# Altium PCB MotorBase.PcbDoc (part 1 of 2) (continued)
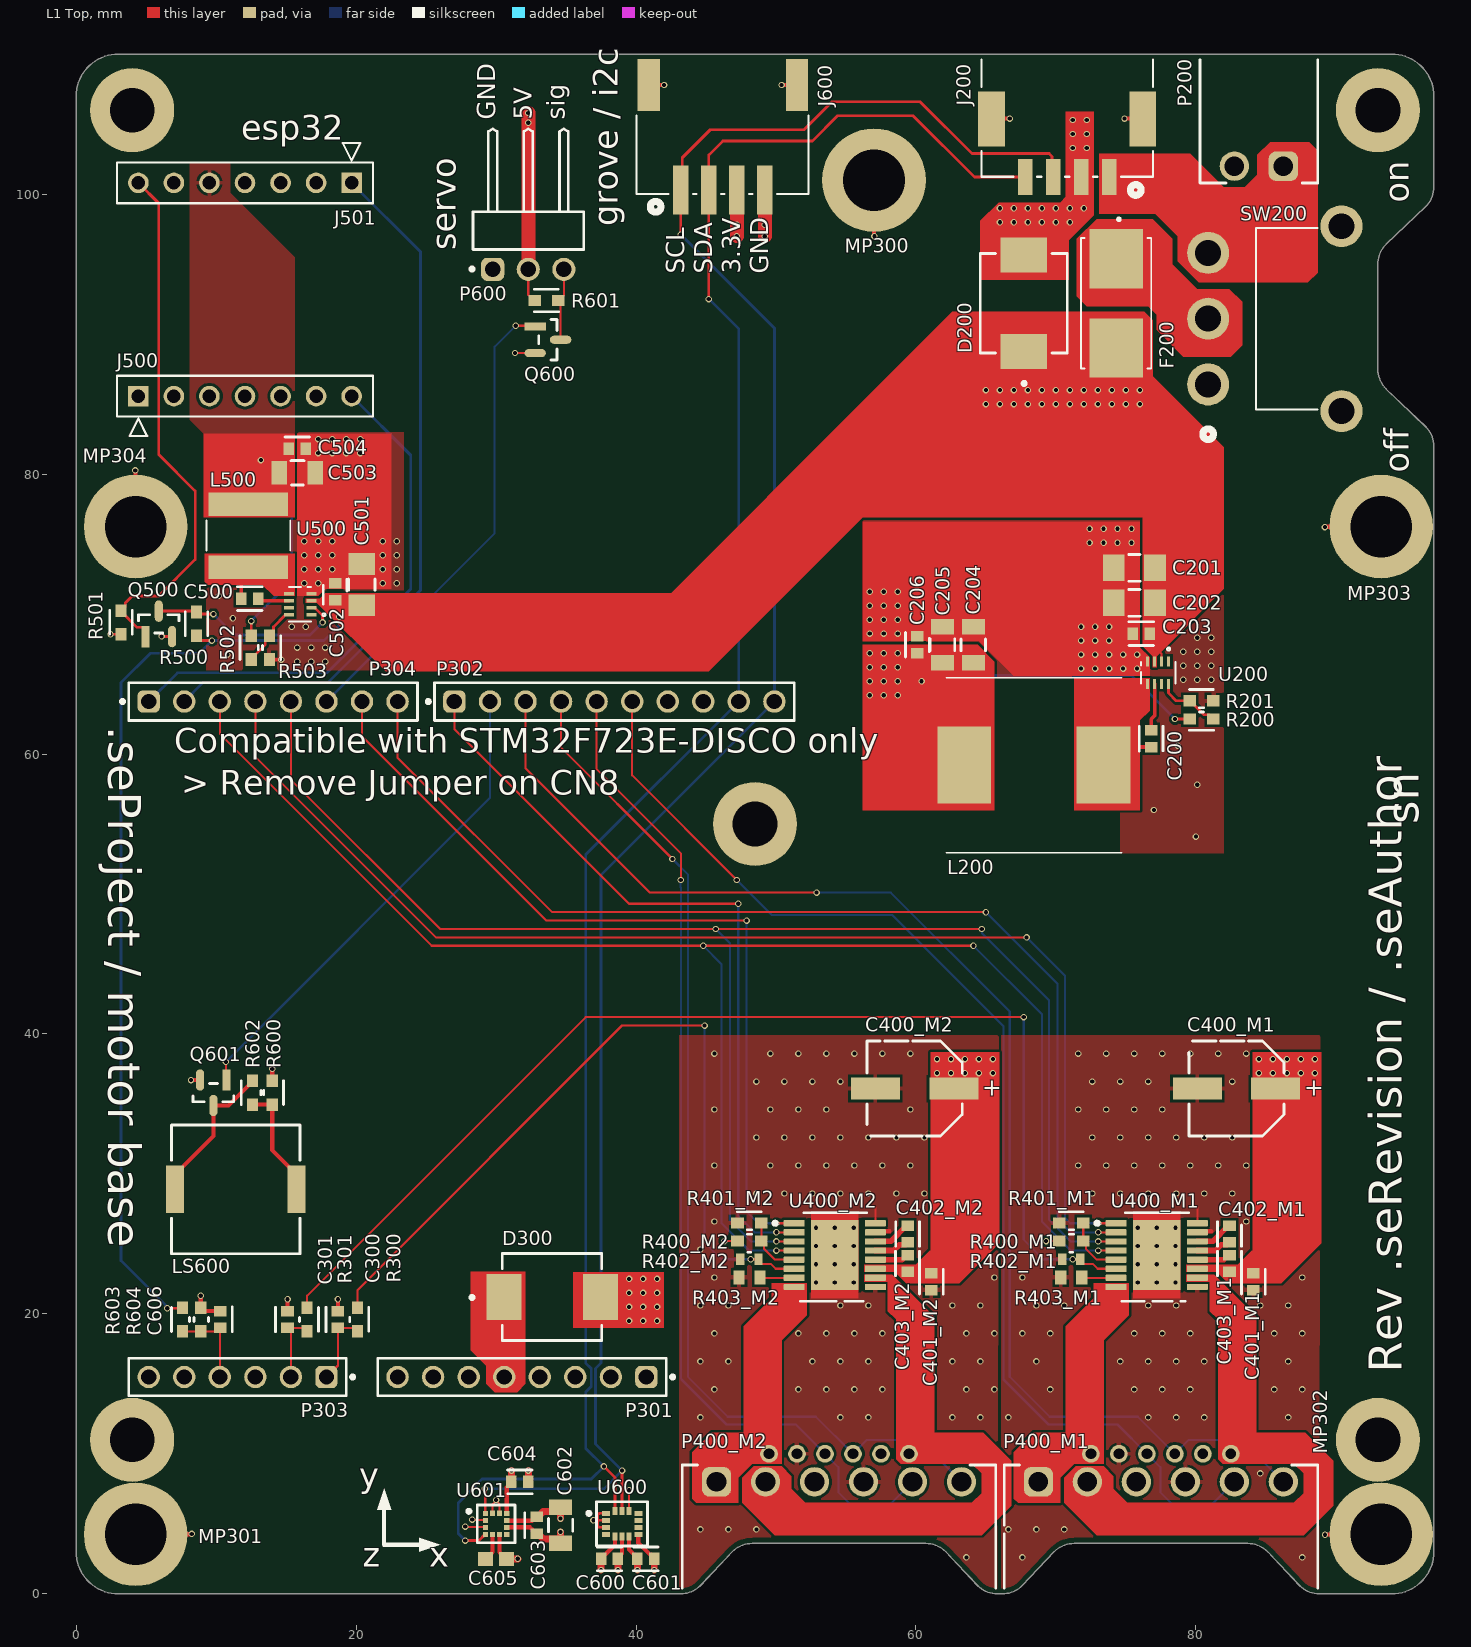
[diagram p0: L1 Top view]
## Design rules (kind name [scope] priority, off if disabled: settings)
BoardOutlineClearance [All] p1: gap=0.4 ignorepadtopadclearanceinfootprint=FALSE
Clearance [All] p1: gap=0.1 ignorepadtopadclearanceinfootprint=FALSE except(0.2: Arc-Poly Track-Poly SMDPad-Poly THPad-Poly Via-Poly Fill-Poly Poly-Poly Poly-Region Poly-Text Poly-Hole)
ComponentClearance ComponentClearance_MOTCONN [HasFootprint('CONN_S6B-PH-K-S_JST') vs HasFootprint('691322110006')] p1: gap=-100 collisioncheckmode=3 verticalgap=-100 showdistances=FALSE
ComponentClearance [All] p2: gap=0.35 collisioncheckmode=3 verticalgap=0.35 showdistances=FALSE
DiffPairsRouting DiffPairsRouting_ETH [InDifferentialPairClass('Ethernet')] p1: maxlimit=0.15 minlimit=0.15 mostfreqgap=0.15 toplayer_minwidth=0.132 toplayer_maxwidth=0.132 toplayer_prefwidth=0.132 bottomlayer_minwidth=0.132 bottomlayer_maxwidth=0.132 bottomlayer_prefwidth=0.132 impedanceprofiledriven=TRUE maxuncoupledlength=5
HoleSize [All] p1: absolutevalues=TRUE maxlimit=6.3 minlimit=0.3 maxpercent=80.000 minpercent=20.000
HoleToHoleClearance [All] p1: gap=0.3 allowstackedmicrovias=FALSE
MinimumAnnularRing [All] p1: minimumring=0.075
MinimumSolderMaskSliver [All] p1: minsoldermaskwidth=0.1
PlaneClearance [All] p1: clearance=0.3
PlaneConnect [All] p1: pad.planeconnectstyle=Relief pad.reliefexpansion=0.508 pad.reliefentries=4 pad.reliefconductorwidth=0.254 pad.reliefairgap=0.254 via.planeconnectstyle=Direct via.reliefexpansion=0.508 via.reliefentries=4 via.reliefconductorwidth=0.254 via.reliefairgap=0.254
PolygonConnect [All] p1: thpad.connectstyle=Relief thpad.reliefconductorwidth=0.3 thpad.reliefentries=4 thpad.polygonreliefangle="90 Angle" thpad.airgapwidth=0.18 smdpad.connectstyle=Relief smdpad.reliefconductorwidth=0.3 smdpad.reliefentries=4 smdpad.polygonreliefangle="90 Angle" smdpad.airgapwidth=0.18 via.connectstyle=Direct via.reliefconductorwidth=0.254 via.reliefentries=4 via.polygonreliefangle="90 Angle" via.airgapwidth=0.254
RoomDefinition M1 [InComponentClass('M1')] p1: confinementstyle=ConfineIn formatcopy=TRUE lockcomponents=FALSE outline 66,-0.5 89,-0.5 89,40 66,40
RoomDefinition M2 [InComponentClass('M2')] p2: confinementstyle=ConfineIn formatcopy=TRUE lockcomponents=FALSE outline 43,-0.5 66,-0.5 66,40 43,40
RoutingVias [All] p1: holewidth=0.3 width=0.46 viastyle="Through Hole" minholewidth=0.3 minwidth=0.45 maxholewidth=6 maxwidth=6.3
SilkToSilkClearance [All] p1: silktosilkclearance=0.15
SilkToSolderMaskClearance [IsPad] p1: minsilkscreentomaskgap=0.15 clearancetoexposedcopper=TRUE
SolderMaskExpansion [All] p1: expansion=0.05 istentingtop=FALSE
Width [All] p1: maxlimit=5 minlimit=0.1 preferedwidth=0.2 minimp=50.000000 maximp=50.000000 favimp=50.000000
21 further rules are at their usual default settings.

## Classes and differential pairs
net class DIR_M[1..2]: DIR_M1 DIR_M2
net class PWM_M[1..2]: PWM_M1 PWM_M2
net class IMOT_M[1..2]: IMOT_M1 IMOT_M2
net class ENCB_M[1..2]: ENCB_M1 ENCB_M2
net class ENCA_M[1..2]: ENCA_M1 ENCA_M2
channel class MotorDriver: M1 M2
component class M2: C400_M2 C401_M2 C402_M2 C403_M2 J400_M2 P400_M2 R400_M2 R401_M2 R402_M2 R403_M2 U400_M2
component class M1: C400_M1 C401_M1 C402_M1 C403_M1 J400_M1 P400_M1 R400_M1 R401_M1 R402_M1 R403_M1 U400_M1
component class Connectivity: C500 C501 C502 C503 C504 J500 J501 L500 Q500 R500 R501 R502 R503 U500
component class "Power Suppy": C200 C201 C202 C203 C204 C205 C206 D200 F200 J200 L200 P200 R200 R201 SW200 U200
component class Miscellaneous: C600 C601 C602 C603 C604 C605 C606 J600 LS600 P600 Q600 Q601 R600 R601 R602 R603 R604 U600 U601
component class "STM32-Disco Carrier": C300 C301 D300 MP300 MP301 MP302 MP303 MP304 P301 P302 P303 P304 R300 R301

## Components (designator, comment, footprint, x,y, rotation, side; value= is the part's Value field where it differs from the comment)
C200 "C0603C104M5RACTU" FP-C0603C-CF-MFG#1 76.8,61.1 r90 top value="0.10 μF"
C201 "GRT31CR6YA106KE01L" FP-GRT31C-0_2-IPC_A 75.6,73.3 r180 top
C202 "GRT31CR6YA106KE01L" FP-GRT31C-0_2-IPC_A 75.6,70.8 r180 top
C203 "C0603C104M5RACTU" FP-C0603C-CF-MFG#1 76.1,68.6 r180 top value="0.10 μF"
C204 "GRM319R61C226ME15D" FP-GRM319-0_15-IPC_C 64.1,67.8 r90 top
C205 "GRM319R61C226ME15D" FP-GRM319-0_15-IPC_C 61.9,67.8 r90 top
C206 "C0603C104M5RACTU" FP-C0603C-CF-MFG#1 60.1,67.8 r90 top value="0.10 μF"
C300 "C0603C104M5RACTU" FP-C0603C-CF-MFG#1 18.7,19.6 r270 top value="0.10 μF"
C301 "C0603C104M5RACTU" FP-C0603C-CF-MFG#1 15.1,19.6 r270 top value="0.10 μF"
C400_M1 "865080545012" WCAP-ASLI_D6.3H7.7 82.9,36.1 r0 top (schematic designator C400)
C400_M2 "865080545012" WCAP-ASLI_D6.3H7.7 59.9,36.1 r0 top (schematic designator C400)
C401_M1 "C0603C104M5RACTU" FP-C0603C-CF-MFG#1 84.1,22.3 r90 top value="0.10 μF" (schematic designator C401)
C401_M2 "C0603C104M5RACTU" FP-C0603C-CF-MFG#1 61.1,22.3 r90 top value="0.10 μF" (schematic designator C401)
C402_M1 "C0603C223M5RACTU" FP-C0603C-CF-MFG#1 82.4,25.7 r90 top value="22,000 pF" (schematic designator C402)
C402_M2 "C0603C223M5RACTU" FP-C0603C-CF-MFG#1 59.4,25.7 r90 top value="22,000 pF" (schematic designator C402)
C403_M1 "C0603C104M5RACTU" FP-C0603C-CF-MFG#1 82.4,23.6 r270 top value="0.10 μF" (schematic designator C403)
C403_M2 "C0603C104M5RACTU" FP-C0603C-CF-MFG#1 59.4,23.6 r270 top value="0.10 μF" (schematic designator C403)
C500 "C0603C104M5RACTU" FP-C0603C-CF-MFG#1 12.4,71.1 r0 top value="0.10 μF"
C501 "GRT31CR6YA106KE01L" FP-GRT31C-0_2-IPC_A 20.4,72.1 r90 top
C502 "C0603C104M5RACTU" FP-C0603C-CF-MFG#2 18.5,71.6 r90 top value="0.10 μF"
C503 "GRM319R61C226ME15D" FP-GRM319-0_15-IPC_C 15.8,80.1 r0 top
C504 "C0603C104M5RACTU" FP-C0603C-CF-MFG#1 15.8,81.8 r0 top value="0.10 μF"
C600 "C0603C104M5RACTU" FP-C0603C-CF-MFG#1 38.1,2.5 r0 top value="0.10 μF"
C601 "C0603C104M5RACTU" FP-C0603C-CF-MFG#1 40.7,2.5 r180 top value="0.10 μF"
C602 "GRM319R61C226ME15D" FP-GRM319-0_15-IPC_C 34.6,4.9 r270 top
C603 "C0603C104M5RACTU" FP-C0603C-CF-MFG#1 32.9,4.9 r270 top value="0.10 μF"
C604 "C0603C104M5RACTU" FP-C0603C-CF-MFG#1 31.7,8 r0 top value="0.10 μF"
C605 "C0603C224Z4VACTU" CAPC1608X90X35NL15T15 30,2.5 r180 top value="220 nF"
C606 "C0603C104M5RACTU" FP-C0603C-CF-MFG#1 10.3,19.6 r90 top value="0.10 μF"
D200 "B340-13-F" FP-SMC-MFG 67.7,92.2 r90 top value=200pF
D300 "B340-13-F" FP-SMC-MFG 34,21.2 r0 top value=200pF
F200 "0154003.DR" FUSE_0154003.DR 74.3,92.2 r270 top value=3A
J200 "5055780471" CONN_505578_04_MOL 70.8,105.6 r180 top
J400_M1 "S6B-PH-K-S" CONN_S6B-PH-K-S_JST 82.5,10 r180 bottom (schematic designator J400)
J400_M2 "S6B-PH-K-S" CONN_S6B-PH-K-S_JST 59.5,10 r180 bottom (schematic designator J400)
J500 "929870-01-10-RA" CONN_929870-01-07-RA_3MM 4.439,85.569 r180 top
J501 "929870-01-10-RA" CONN_929870-01-07-RA_3MM 19.679,100.809 r0 top
J600 "114020164" CONN4_20164_SEE 43.2,100.3 r0 top
L200 "DR125-6R8-R" INDM1250X1250X600 68.425,59.2 r180 top
L500 "ASPI-6045S-2R7N-T" IND_ASPI-6045S-2R7N-T 12.3,75.6 r90 top value=2.7uH
LS600 "PKMCS0909E48H0-R1" FP-PKMCS0909E48H0-R1-MFG 11.4,28.9 r180 top
MP300 "9774110360R" 9774110360 57,101 r0 top
MP301 "9774110360R" 9774110360 4.25,4.25 r0 top
MP302 "9774110360R" 9774110360 93.233,4.25 r0 top
MP303 "9774110360R" 9774110360 93.233,76.25 r0 top
MP304 "9774110360R" 9774110360 4.25,76.25 r0 top
P200 "691322110002" 691322110002 84.5,105.4 r180 top
P301 "61300811121" 61300811121 31.85,15.49 r180 top locked
P302 "61301011121" 61301011121 38.454,63.75 r0 top locked
P303 "61300611121" 61300611121 11.53,15.49 r180 top locked
P304 "61300811121" 61300811121 14.07,63.75 r0 top locked
P400_M1 "691322110006" 691322110006 77.5,4.6 r0 top (schematic designator P400)
P400_M2 "691322110006" 691322110006 54.5,4.6 r0 top (schematic designator P400)
P600 "61300311021" 61300311021 32.3,97.4 r180 top
Q500 "BSS138" FP-318-08-IPC_B 5.9,69.3 r90 top
Q600 "BSS138" FP-318-08-IPC_B 33.7,89.6 r0 top
Q601 "BSS138" FP-318-08-IPC_B 9.8,35.8 r270 top
R200 "RT0603FRE0752K3L" FP-RT0603-MFG 80.4,62.5 r180 top value=52.3KΩ
R201 "RT0603FRE0710KL" FP-RT0603-MFG 80.4,63.8 r180 top value=10KΩ
R300 "RT0603FRE07100RL" FP-RT0603-MFG 20.1,19.6 r90 top value=100Ω
R301 "RT0603FRE07100RL" FP-RT0603-MFG 16.5,19.6 r90 top value=100Ω
R400_M1 "RT0603FRE0716KL" FP-RT0603-MFG 71.1,25.2 r180 top value=16KΩ (schematic designator R400)
R400_M2 "RT0603FRE0716KL" FP-RT0603-MFG 48.1,25.2 r180 top value=16KΩ (schematic designator R400)
R401_M1 "RT0603FRE0749K9L" FP-RT0603-MFG 71.1,26.5 r0 top value=49.9KΩ (schematic designator R401)
R401_M2 "RT0603FRE0749K9L" FP-RT0603-MFG 48.1,26.5 r0 top value=49.9KΩ (schematic designator R401)
R402_M1 "RT0603FRE073KL" RESC1608X55X25LL10T15 71.1,23.9 r0 top (schematic designator R402)
R402_M2 "RT0603FRE073KL" RESC1608X55X25LL10T15 48.1,23.9 r0 top (schematic designator R402)
R403_M1 "RC0603JR-070RL" RESC1608X55X25ML10T15 71.1,22.6 r0 top (schematic designator R403)
R403_M2 "RC0603JR-070RL" RESC1608X55X25ML10T15 48.1,22.6 r0 top (schematic designator R403)
R500 "RT0603FRE0710KL" FP-RT0603-MFG 8.6,69.3 r270 top value=10KΩ
R501 "RT0603FRE0710KL" FP-RT0603-MFG 3.2,69.4 r90 top value=10KΩ
R502 "RT0603FRE0730K9L" FP-RT0603-MFG 12.5,67.6 r90 top value=30.9KΩ
R503 "RT0603FRE0710KL" FP-RT0603-MFG 13.8,67.6 r90 top value=10KΩ
R600 "RT0603FRE07680RL" FP-RT0603-MFG 14,35.8 r90 top value=680Ω
R601 "RT0603FRE0710KL" FP-RT0603-MFG 33.6,92.4 r180 top value=10KΩ
R602 "RT0603FRE07680RL" FP-RT0603-MFG 12.6,35.8 r270 top value=680Ω
R603 "RT0603FRE0791KL" FP-RT0603-MFG 7.6,19.6 r90 top value=91KΩ
R604 "RT0603FRE0710KL" FP-RT0603-MFG 8.9,19.6 r270 top value=10KΩ
SW200 "500SSP3S1M6QEA" SW3_500SSP3S1M6QEA_EWI 80.875,86.404 r90 top
U200 "TPS563300DRLR" SOT5X3-8_DRL_TEX 77.3,65.8 r270 top
U400_M1 "DRV8874PWPR" FP-PWP0016J-MFG 77.2,24.2 r0 top (schematic designator U400)
U400_M2 "DRV8874PWPR" FP-PWP0016J-MFG 54.2,24.2 r0 top (schematic designator U400)
U500 "TPS563300DRLR" SOT5X3-8_DRL_TEX 16,70.7 r180 top
U600 "LSM6DSOTR" FP-LGA-14L-DM00249496-MFG 39,5 r0 top
U601 "LIS2MDLTR" FP-LGA-12-DM00170568-MFG 30,5 r0 top

## Footprints (in the part's own frame and the unit in brackets; to place one, negate y for a bottom-side part, rotate by r counter-clockwise, add the part's x,y. Pads: shape width x height; smd on the part's side, far side on the other; paste and mask are expansions set on the pad)
9774110360 [mm] "SMT Steel Spacer with internal Thread M3, height 11mm"
  round 7.4 / inner round 0 / far side round 0 hole 4.4 unplated: 1(0,0)
  body extent -3,-3 3,3, height 11
61300311021 [mm] "Pin Header, pitch 2.54 mm, THT, Angled, single row, 3p"
  rrect50% 1.65x1.65 hole 1.1: 1(2.54,2.77)
  round 1.65 hole 1.1: 2(0,2.77) 3(-2.54,2.77)
  silkscreen extent -3.96,-7.27 4.14,2.87, body extent -3.81,-7.27 3.81,3.09, height 2.58
61300611121 [mm] "Pin Header, pitch 2.54 mm, THT, Vertical, single row, 6p"
  rrect50% 1.6x1.6 hole 1.1: 1(-6.35,0)
  round 1.6 hole 1.1: 2(-3.81,0) 3(-1.27,0) 4(1.27,0) 5(3.81,0) 6(6.35,0)
  silkscreen extent -8.34,-1.35 7.77,1.35, body extent -7.62,-1.27 7.62,1.27, height 8.57
61300811121 [mm] "Pin Header, pitch 2.54 mm, THT, Vertical, single row, 8p"
  rrect50% 1.6x1.6 hole 1.1: 1(-8.89,0)
  round 1.6 hole 1.1: 2(-6.35,0) 3(-3.81,0) 4(-1.27,0) 5(1.27,0) 6(3.81,0) 7(6.35,0) 8(8.89,0)
  silkscreen extent -10.88,-1.35 10.31,1.35, body extent -10.16,-1.27 10.16,1.27, height 8.57
61301011121 [mm] "Pin Header, pitch 2.54 mm, THT, Vertical, single row, 10p"
  rrect50% 1.6x1.6 hole 1.1: 1(-11.43,0)
  round 1.6 hole 1.1: 2(-8.89,0) 3(-6.35,0) 4(-3.81,0) 5(-1.27,0) 6(1.27,0) 7(3.81,0) 8(6.35,0) 9(8.89,0) 10(11.43,0)
  silkscreen extent -13.42,-1.35 12.85,1.35, body extent -12.7,-1.27 12.7,1.27, height 8.57
691322110002 [mm] "Horizontal PCB Header, pitch 3.5mm, 02p"
  rrect50% 2.1x2.1 hole 1.4: 1(-1.75,3.4)
  round 2.1 hole 1.4: 2(1.75,3.4)
  silkscreen extent -4.2,-4.2 4.2,4.6, body extent -4.2,-4.6 4.2,4.6, height 7.3
691322110006 [mm] "Horizontal PCB Header, pitch 3.5mm, 06p"
  rrect50% 2.1x2.1 hole 1.4: 1(-8.75,3.4)
  round 2.1 hole 1.4: 2(-5.25,3.4) 3(-1.75,3.4) 4(1.75,3.4) 5(5.25,3.4) 6(8.75,3.4)
  silkscreen extent -11.2,-4.2 11.2,4.6, body extent -11.2,-4.6 11.2,4.6, height 7.3
CAPC1608X90X35NL15T15 [mm] "Chip Capacitor, 2-Leads, Body 1.60x0.81mm, IPC Medium Density"
  rect 1.05x1 smd: 1(-0.75,0) 2(0.75,0)
  body extent -0.88,-0.48 0.87,0.48, height 0.9
CONN4_20164_SEE [mil]
  rect 43x138 smd paste+0: 1(0,0) 2(78.74,0) 3(157.48,0) 4(236.22,0)
  rect 63x145.67 smd paste-72.83: 5(-90.55,295.28) 6(326.77,295.28)
  silkscreen extent -125,-62 359,209, body extent -118,-37 354,368, height 215
CONN_505578_04_MOL [mil]
  rect 41x102 smd: 1(-118.11,172.41) 2(-39.37,172.41) 3(39.37,172.41) 4(118.11,172.41)
  rect 75x154 smd: 5(-212.6,9.02) 6(212.6,9.02)
  silkscreen extent -241,-158 241,224, body extent -236,-167 236,206, height 232
CONN_929870-01-07-RA_3MM [mil]
  rect 58x58 / inner round 60 / far side rect 58x58 hole 38 paste-99999 mask+0: 1(0,0)
  round 58 / inner round 60 / far side round 58 hole 38 paste-99999 mask+0: 2(-100,0) 3(-200,0) 4(-300,0) 5(-400,0) 6(-500,0) 7(-600,0)
  silkscreen extent -660,-58 60,112, body extent -655,-53 55,53, height 150
CONN_S6B-PH-K-S_JST [mil]
  round 50 / inner round 60 / far side round 50 hole 30 paste-99999 mask+0: 1(0,0) 2(78.74,0) 3(157.48,0) 4(236.22,0) 5(314.96,0) 6(393.7,0)
  silkscreen extent -82,-244 475,109, body extent -77,-248 470,51, height 189
FP-318-08-IPC_B [mm]
  rect 1.524x0.578 smd paste+0 mask+0: 1(-0.91,0.95)
  rrect100% 1.524x0.578 smd paste+0 mask+0: 2(-0.91,-0.95) 3(0.91,0)
  silkscreen extent -0.65,-1.45 0.65,1.45, body extent -1.92,-1.7 1.92,1.7, height 0.25
FP-C0603C-CF-MFG#1 [mm]
  rect 0.75x0.9 smd paste+0 mask+0: 1(-0.6,0) 2(0.6,0)
  silkscreen extent -0.87,-0.85 0.88,0.85, body extent -1.2,-0.6 1.2,0.6, height 0.25
FP-C0603C-CF-MFG#2 [mm]
  rect 0.75x0.9 smd paste-2539.97 mask+0: 1(-0.6,0)
  rect 0.75x0.9 smd paste+0 mask+0: 2(0.6,0)
  silkscreen extent -0.87,-0.85 0.88,0.85, body extent -1.2,-0.6 1.2,0.6, height 0.25
FP-GRM319-0_15-IPC_C [mm]
  rect 1.106x1.658 smd paste+0 mask+0: 1(-1.276,0) 2(1.276,0)
  silkscreen extent -0.42,-0.87 0.42,0.87, body extent -1.93,-0.97 1.93,0.97, height 0.25
FP-GRT31C-0_2-IPC_A [mm]
  rect 1.555x1.906 smd paste+0 mask+0: 1(-1.476,0) 2(1.476,0)
  silkscreen extent -0.4,-0.95 0.4,0.95, body extent -2.75,-1.45 2.75,1.45, height 0.25
FP-LGA-12-DM00170568-MFG [mm]
  rect 0.375x0.35 smd paste+0 mask+0: 1(-0.763,0.75) 2(-0.763,0.25) 3(-0.763,-0.25) 4(-0.763,-0.75) 7(0.763,-0.75) 8(0.763,-0.25) 9(0.763,0.25) 10(0.763,0.75)
  rect 0.35x0.375 smd paste+0 mask+0: 5(-0.25,-0.763) 6(0.25,-0.763) 11(0.25,0.763) 12(-0.25,0.763)
  silkscreen extent -2.07,-1.35 1.35,1.35, body extent -1.55,-1.55 1.55,1.55, height 0.25
FP-LGA-14L-DM00249496-MFG [mm]
  rect 0.575x0.35 smd paste+0 mask+0: 1(-1.162,0.75) 2(-1.162,0.25) 3(-1.162,-0.25) 4(-1.162,-0.75) 8(1.162,-0.75) 9(1.162,-0.25) 10(1.162,0.25) 11(1.162,0.75)
  rect 0.35x0.575 smd paste+0 mask+0: 5(-0.5,-0.913) 6(0,-0.913) 7(0.5,-0.913) 12(0.5,0.913) 13(0,0.913) 14(-0.5,0.913)
  silkscreen extent -2.5,-1.58 1.83,1.58, body extent -2.05,-1.8 2.05,1.8, height 0.25
FP-PKMCS0909E48H0-R1-MFG [mm]
  rect 1.3x3.4 smd paste+0 mask+0: 1(-4.35,0) 2(4.35,0)
  silkscreen extent -4.6,-4.6 4.6,4.6, body extent -5.1,-4.7 5.1,4.7, height 0.25
FP-PWP0016J-MFG [mm]
  rrect22% 1.5x0.45 smd paste+0 mask+0: 1(-2.9,2.275) 2(-2.9,1.625) 3(-2.9,0.975) 4(-2.9,0.325) 5(-2.9,-0.325) 6(-2.9,-0.975) 7(-2.9,-1.625) 8(-2.9,-2.275) 9(2.9,-2.275) 10(2.9,-1.625) 11(2.9,-0.975) 12(2.9,-0.325) 13(2.9,0.325) 14(2.9,0.975) 15(2.9,1.625) 16(2.9,2.275)
  rect 3.4x5 smd paste-1000 mask-1000: 17(0,0)
  silkscreen extent -4.4,-3.3 2.27,3.03, body extent -3.75,-2.8 3.75,2.8, height 0.25
FP-RT0603-MFG [mm]
  rect 0.9x0.8 smd paste+0 mask+0: 1(-0.85,0) 2(0.85,0)
  silkscreen extent -0.85,-0.81 0.85,0.8, body extent -1.4,-0.55 1.4,0.55, height 0.25
FP-SMC-MFG [mm]
  rect 2.5x3.3 smd paste+0 mask+0: 1(-3.45,0) 2(3.45,0)
  silkscreen extent -5.85,-3.11 3.55,3.11, body extent -4.8,-3.21 4.8,3.21, height 0.25
FUSE_0154003.DR [mil]
  rect 167x150 smd: 1(-125.5,0) 2(125.5,0)
  silkscreen extent -240,-99 184,99, body extent -192,-99 192,99, height 150
IND_ASPI-6045S-2R7N-T [mm]
  rect 1.7x5.7 smd: 1(-2.25,0) 2(2.25,0)
  silkscreen extent -1.08,-3 1.08,3, body extent -3,-3 3,3, height 4.5
INDM1250X1250X600 [mm]
  rect 3.85x5.5 smd: 1(-4.975,0) 2(4.975,0)
  silkscreen extent -6.25,-6.25 6.25,6.25, body extent -6.25,-6.25 6.25,6.25, height 6
RESC1608X55X25LL10T15 [mm] "Chip Resistor, 2-Leads, Body 1.60x0.80mm, IPC High Density"
  rect 0.6x0.8 smd: 1(-0.65,0) 2(0.65,0)
  body extent -0.85,-0.45 0.85,0.45, height 0.55
RESC1608X55X25ML10T15 [mm] "Chip Resistor, 2-Leads, Body 1.60x0.80mm, IPC Low Density"
  rect 0.8x1 smd: 1(-0.75,0) 2(0.75,0)
  body extent -0.85,-0.45 0.85,0.45, height 0.55
SOT5X3-8_DRL_TEX [mm]
  rect 0.706x0.229 smd paste+0 mask+0: 1(-0.798,0.75) 2(-0.798,0.25) 3(-0.798,-0.25) 4(-0.798,-0.75) 5(0.798,-0.75) 6(0.798,-0.25) 7(0.798,0.25) 8(0.798,0.75)
  silkscreen extent -1.8,-1.23 0.77,1.23, body extent -0.85,-1.1 0.85,1.1, height 0.61
SW3_500SSP3S1M6QEA_EWI [mm]
  round 3 hole 1.854: 1(0,0) 2(4.7,0) 3(9.4,0) 4(-1.904,-9.525) 5(11.304,-9.525)
  silkscreen extent -3.94,-7.8 11.18,0.38, body extent -2.08,-17.69 11.49,0.71, height 6.7
WCAP-ASLI_D6.3H7.7 [mm] "Aluminium Electrolytic V-Chip SMT Capacitors, 6.3x7.7mm"
  rect 3.5x1.6 smd: 1(2.8,0) 2(-2.8,0)
  silkscreen extent -3.4,-3.4 3.4,3.4, body extent -3.65,-3.3 3.65,3.3, height 7.7

## Part data
C200 C203 C206 C300 C301 C401_M1 C401_M2 C403_M1 C403_M2 C500 C502 C504 C600 C601 C603 C604 C606: library part CMP-2006-03068-2, "CAP CER 0.1UF 50V 20% X7R 0603", Capacitance="0.10 μF", Manufacturer=KEMET, Package=C0603C-CF, Temperature="-55°C to +125°C", Temperature Characteristic=X7R, Temperature Coefficient=30ppm/°C, Temperature Range High=+125°C, Temperature Range Low=-55°C, Tolerance=0.2, Voltage Rating="50 V", Automotive=Yes, Automotive Grade="Grade 1", Category=Cap, ComponentLink2Description=Datasheet, ComponentLink2URL=https://api.kemet.com/component-edge/download/datasheet/C0603C100J5GACAUTO.pdf, Device Class L1="Passive Components", Device Class L2=Capacitors, Device Class L3="Ceramic Capacitors", Digikey Description="CAP CER 0.1UF 50V 20% X7R 0603", Height=0.87mm, Lead Free=Yes, Manufacturer Part Number=C0603C104M5RACTU, Material=Ceramic, Mouser Description="Multilayer Ceramic Capacitors MLCC - SMD/SMT 50volts 0.1uF X7R 20%", Octopart=https://octopart.com/c0603c104m5ractu-kemet-11855687, RoHS=TRUE
C201 C202 C501: library part CMP-06035-017590-1, "Multi-Layer Ceramic Capacitor 10uF 35V X5R ±10% 1206 Emboss T/R", Capacitance=10uF, Case Code (Imperial)=1206, Case Code (Metric)=3216, Max Operating Temperature=85°C, Min Operating Temperature=-55°C, Ratings=AEC-Q200, Tolerance=10%, Voltage Rating=35V, Case/Package=1206, Length=0.126inch, Mount="Surface Mount", Packaging="Tape and Reel", Thickness=0.071inch, Width=0.063inch
C204 C205 C503 C602: library part CMP-06035-037955-1, "Chip Multilayer Ceramic Capacitors for General Purpose, 1206, 22uF, X5R, 15%, 20%, 16V", Capacitance=22uF, Case Code (Imperial)=1206, Case Code (Metric)=3216, Dielectric=X5R, Max Operating Temperature=85°C, Min Operating Temperature=-55°C, Package Quantity=4000, Resistor Type=Ceramic, Tolerance=20%, Voltage Rating=16V, Case/Package=1206, Height=0.85mm, Length=0.126inch, Mount="Surface Mount", Packaging="Tape and Reel", Termination=SMD/SMT, Thickness=0.037inch, Voltage Rating (DC)=16V, Weight=0.001411oz, Width=0.063inch
C400_M1 C400_M2: library part CMP-03913-54202496-1, "865080545012 Cap Aluminum Lytic 100uF 35V 20% (6.3 X 7.7mm) SMD 300mA 2000h 105C T/R", Capacitance=100µF, Case/Package=Radial, ESR (Equivalent Series Resistance)=321.392mΩ, Insulation Resistance=1MΩ, Leakage Current=35µA, Max Operating Temperature=105°C, Min Operating Temperature=-55°C, Ripple Current=300mA, Tolerance=20%, Voltage Rating=35V, Diameter=6.3mm, Dissipation Factor=14%, Height=7.7mm, Impedance=380mΩ, Length=7.7mm, Life (Hours)=2000hours, NexarPartId=54202496, Packaging="Cut Tape", REACH SVHC=Unknown, Ripple Current (AC)=300mA, RoHS=Compliant, Voltage Rating (DC)=35V, Width=6.6mm
C402_M1 C402_M2: library part CMP-2006-03144-2, "CAP CER 0.022UF 50V X7R 0603", Capacitance="22,000 pF", Manufacturer=KEMET, Package=C0603C-CF, Temperature="-55°C to +125°C", Temperature Characteristic=X7R, Temperature Coefficient=30ppm/°C, Temperature Range High=+125°C, Temperature Range Low=-55°C, Tolerance=0.2, Voltage Rating="50 V", Automotive=Yes, Automotive Grade="Grade 1", Category=Cap, ComponentLink2Description=Datasheet, ComponentLink2URL=https://api.kemet.com/component-edge/download/datasheet/C0603C100J5GACAUTO.pdf, Device Class L1="Passive Components", Device Class L2=Capacitors, Device Class L3="Ceramic Capacitors", Digikey Description="CAP CER 0.022UF 50V X7R 0603", Height=0.87mm, Lead Free=Yes, Manufacturer Part Number=C0603C223M5RACTU, Material=Ceramic, Mouser Description="Cap Ceramic 0.022uF 50V X7R 20% SMD 0603 125°C Paper T/R", Octopart=https://octopart.com/c0603c223m5ractu-kemet-18481184, RoHS=TRUE
C605: library part CMP-2006-02254-1, Manufacturer=Kemet, Part Number=C0603C224Z4VACTU
D200 D300: library part CMP-12790-000049-1, "DIODE SCHOTTKY 40V 3A SMC", Capacitance=200pF, Forward Current=3A, Manufacturer="Diodes Inc.", Max Junction Temp=+150°C, Max Repetitive Reverse Voltage=40V, Max Surge Forward Current=100A, Package=SMC, Peak Reverse Current=0.1mA, Temperature="-55°C to +150°C", Temperature Range Low=-55°C, Automotive=No, Category=Diode, ComponentLink2Description=Datasheet, ComponentLink2URL=https://www.diodes.com/assets/Datasheets/ds30923.pdf, Device Class L1="Discrete Semiconductors", Device Class L2=Diodes, Device Class L3="Schottky Diodes", Digikey Description="DIODE SCHOTTKY 40V 3A SMC", Footprint Url=https://www.diodes.com/assets/Package-Files/SMC.pdf, Height=2.5mm, Lead Free=Yes, Manufacturer Part Number=B340-13-F, Mouser Description="Diode Schottky 40V 3A 2-Pin SMC T/R Diode Schottky 40V 3A 2-Pin SMC T/R", Octopart=https://octopart.com/b340-13-f-diodes+inc.-325814, Reverse Voltage=40V, RoHS=TRUE, Standoff Height=0.1mm, Temperature Range High=+150°C
F200: "Nano2 SMD FF submin fuse w/holder, 3A", Package="SMD-2 Littelfuse", Supplier Part Number 1=F1226CT-ND, Check_prices=https://www.snapeda.com/parts/0154003.DR/Littelfuse/view-part/?ref=eda, MF="Littelfuse Inc.", MP=0154003.DR, SnapEDA_Link=https://www.snapeda.com/parts/0154003.DR/Littelfuse/view-part/?ref=snap, Supplier 1=DigiKey, Supplier 2=DigiKey, Supplier 3=Mouser, Supplier Part Number 2=F1226DKR-ND, Supplier Part Number 3=576-0154003.DR
J200: "2.00mm Pitch, Micro-Lock Plus PCB Header, Single Row, Right-Angle, Surface Mount, Matte Tin Plating, Positive Lock, 4 Circuits, Low-Halogen, Black", Manufacturer_Name="Molex Connector Corporation", Supplier Part Number 1=WM17949CT-ND, Copyright="Copyright (C) 2025 Ultra Librarian. All rights reserved.", Datasheet=https://www.molex.com/en-us/products/part-detail-pdf/5055780471?display=pdf, Manufacturer_Part_Number=5055780471, RefDes=RefDes, Supplier 1=DigiKey, Supplier 2=DigiKey, Supplier 3=Mouser, Supplier Part Number 2=WM17949DKR-ND, Supplier Part Number 3=538-505578-0471, Type=Type
J400_M1 J400_M2: "Description", Manufacturer_Name=JST, Supplier Part Number 1=306-S6B-PH-K-SLFSN, Copyright="Copyright (C) 2025 Ultra Librarian. All rights reserved.", Manufacturer_Part_Number=S6B-PH-K-S, RefDes=RefDes, Supplier 1=Mouser, Supplier 2=DigiKey, Supplier Part Number 2=455-1723-ND, Type=Type
J500 J501: "No Description Available", Manufacturer_Name=3M, Supplier Part Number 1=3M157422-ND, Copyright="Copyright (C) 2025 Ultra Librarian. All rights reserved.", Manufacturer_Part_Number=929870-01-10-RA, RefDes=RefDes, Supplier 1=DigiKey, Supplier 2=Mouser, Supplier Part Number 2=517-929870-01-10-RA, Type=Type
J600: "No Description Available", Manufacturer_Name=BeagleBoard, Supplier Part Number 1=1597-114020164-ND, Copyright="Copyright (C) 2025 Ultra Librarian. All rights reserved.", Manufacturer_Part_Number=114020164, RefDes=RefDes, Supplier 1=DigiKey, Supplier 2=Mouser, Supplier Part Number 2=713-114020164, Type=Type
L200: "Inductor Power Shielded Drum Core 3.084u(OCL)H/3.3uH 20% 100KHz Ferrite 9.26A 6.3mOhm DCR T/R", Package=None, Supplier Part Number 1=513-1530-1-ND, Availability=Unavailable, MP=DR125-6R8-R, Price=None, Supplier 1=DigiKey, Supplier 2=DigiKey, Supplier 3=DigiKey, Supplier 4=Mouser, Supplier Part Number 2=513-1530-6-ND, Supplier Part Number 3=513-1530-2-ND, Supplier Part Number 4=704-DR125-6R8-R
L500: Package=None, Supplier Part Number 1=ASPI-6045S-2R7N-TCT-ND, Availability=Unavailable, MP=ASPI-6045S-2R7N-T, Price=None, Supplier 1=DigiKey, Supplier 2=DigiKey, Supplier 3=DigiKey, Supplier 4=Mouser, Supplier Part Number 2=ASPI-6045S-2R7N-TDKR-ND, Supplier Part Number 3=ASPI-6045S-2R7N-TTR-ND, Supplier Part Number 4=815-ASPI-6045S-2R7NT
LS600: library part CMP-06202-000041-1, "9.09.0MM 4.8KHZ PIEZOELECTRIC SO"
MP300 MP301 MP302 MP303 MP304: library part CMP-03913-39399854-1, "9774110360R Spacer Material: Steel, Tin-Plated Mounting: SMT Series: WA-SMSI Thread D: M3", Case/Package=SMD/SMT, Max Operating Temperature=150°C, Min Operating Temperature=-55°C, Height=11.1mm, Lead Free="Lead Free", Length=11mm, Material=Steel, Mount=External, NexarPartId=39399854, Outside Diameter=5.9944mm, Packaging="Tape and Reel", Plating=Tin, REACH SVHC=Unknown, RoHS=Compliant, Thread Size=M3, Threaded/Unthreaded=Threaded, Width=6mm
P200: library part CMP-1502-01791-3, Color=Green, Current=10A, Max Operating Temperature=105°C, Min Operating Temperature=-40°C, Voltage=300V, Contact Material=Brass, Current Rating=10A, Gender=Male, Height=7.4mm, Lead Free="Lead Free", Lead Pitch=3.5mm, Length=10.5mm, Mount="Through Hole", NexarPartId=18818346, Number Of Contacts=2, Number of Levels=1, Number of Pins=2, Number of Positions Per Level=2, Number Of Rows=1, Packaging=Box, Pitch=3.5052mm, REACH SVHC=Unknown, RoHS=Compliant, Termination=Solder, Voltage Rating=300V, Width=8.1mm
P301 P304: library part CMP-1502-01076-3, Color=Black, Contact Resistance=20mΩ, Current Rating=3A, Max Operating Temperature=105°C, Min Operating Temperature=-40°C, Operating Supply Voltage=250V, Connector Type="Male Pin", Contact Material=Copper, Contact Mating Length=5.9944mm, Contact Plating=Gold, Gender=Male, Height=8.54mm, Lead Pitch=2.54mm, Mount="Through Hole", NexarPartId=32855533, Number Of Contacts=8, Number of Pins=8, Number of Positions=8, Number Of Rows=1, Orientation=Vertical, Packaging=Bulk, Pitch=2.54mm, REACH SVHC=Unknown, RoHS=Compliant, Termination=Solder, Voltage Rating=250V
P302: library part CMP-1502-01082-5, Color=Black, Contact Resistance=20mΩ, Current Rating=3A, Flammability Rating="UL94 V-0", Insulation Resistance=1GΩ, Max Operating Temperature=105°C, Min Operating Temperature=-40°C, Operating Supply Voltage=250V, Connector Type="Male Pin", Contact Gender=Male, Contact Material=Copper, Contact Mating Length=5.9944mm, Contact Plating=Gold, Gender=Male, Height=8.74mm, Housing Material=PBT, Lead Pitch=2.54mm, Length=2.54mm, Mount="Through Hole", NexarPartId=18818159, Number Of Contacts=10, Number of Pins=10, Number of Positions=10, Number Of Rows=1, Orientation=Vertical, Packaging=Bulk, Pitch=2.54mm, REACH SVHC=Unknown, RoHS=Compliant, Termination=Solder, Voltage Rating=250V, Width=25.4mm
P303: library part CMP-1502-01070-3, Color=Black, Contact Resistance=20mΩ, Current Rating=3A, Max Operating Temperature=105°C, Min Operating Temperature=-40°C, Operating Supply Voltage=250V, Connector Type="Male Pin", Contact Gender=Male, Contact Material=Copper, Contact Mating Length=5.9944mm, Contact Plating=Gold, Gender=Male, Height=8.89mm, Housing Material=PBT, Lead Free="Lead Free", Lead Pitch=2.54mm, Mount="Through Hole", NexarPartId=20084590, Number Of Contacts=6, Number of Pins=6, Number of Positions=6, Number Of Rows=1, Orientation=Vertical, Packaging=Bulk, Pitch=2.54mm, REACH SVHC=Unknown, RoHS=Compliant, Termination="Through Hole", Voltage Rating=250V
P400_M1 P400_M2: library part CMP-1502-01795-2, Color=Green, Current=10A, Voltage=300V, Connector Type="PCB, Terminal Block", Contact Gender=Male, Contact Material=Brass, Gender=Male, Height=9.2mm, Lead Pitch=3.5mm, Length=10.5mm, Mount="Through Hole", NexarPartId=18818350, Number Of Contacts=6, Number of Levels=1, Number of Pins=6, Number of Positions Per Level=6, Number Of Rows=1, Packaging=Box, Pitch=3.5052mm, REACH SVHC=Unknown, RoHS=Compliant, Termination=Solder, Width=22.1mm
P600: library part CMP-1502-01061-3, Color=Black, Contact Resistance=20mΩ, Current Rating=3A, Operating Supply Voltage=250V, Connector Type="Male Pin", Contact Material=Copper, Contact Mating Length=5.9944mm, Contact Plating=Gold, Gender=Male, Lead Pitch=2.54mm, Mount="Through Hole", NexarPartId=32855520, Number Of Contacts=3, Number of Pins=3, Number of Positions=3, Number Of Rows=1, Packaging=Bulk, Pitch=2.54mm, REACH SVHC=Unknown, RoHS=Compliant, Termination=Solder
Q500 Q600 Q601: library part CMP-07173-000101-1, "MOSFET N-CH 50V 220MA SOT-23", Case/Package=SOT-23, Continuous Drain Current (ID)=220mA, Drain to Source Breakdown Voltage=50V, Drain to Source Resistance=3.5R, Gate to Source Voltage (Vgs)=20V, Input Capacitance=27pF, Max Operating Temperature=150°C, Max Power Dissipation=360mW, Min Operating Temperature=-55°C, On-State Resistance=6R, Package Quantity=1, Threshold Voltage=1.3V, Contact Plating=Tin, Current Rating=220mA, Drain to Source Voltage (Vdss)=50V, Dual Supply Voltage=50V, Element Configuration=Single, Fall Time=9ns, Height=0.93mm, Lead Free="Lead Free", Length=2.92mm, Mount="Surface Mount", Nominal Vgs=1.3V, Number of Elements=1, Number of Pins=3, Packaging="Tape and Reel", Power Dissipation=360mW, Radiation Hardening=No, Rds On Max=3.5R, REACH SVHC="No SVHC", Rise Time=9ns, Termination=SMD/SMT, Turn-Off Delay Time=20ns, Turn-On Delay Time=2.5ns, Voltage Rating (DC)=50V, Weight=0.03g, Width=1.3mm
R200: library part CMP-03412-024293-1, "RES SMD 52.3K OHM 1% 1/10W 0603", Manufacturer=Yageo, Package=RT0603, Power Rating=0.1W, Resistance=52.3KΩ, Temperature="-55°C to +155°C", Temperature Coefficient="50 ppm/°C", Temperature Range High=+155°C, Temperature Range Low=-55°C, Tolerance=0.01, Voltage Rating=75V, Automotive=No, Category=Res, ComponentLink2Description=Datasheet, ComponentLink2URL=http://www.yageo.com/documents/recent/PYu-RT_1-to-0.01_RoHS_L_9.pdf, Composition="Thin Film", Device Class L1="Passive Components", Device Class L2=Resistors, Device Class L3="Chip SMD Resistors", Digikey Description="RES SMD 52.3K OHM 1% 1/10W 0603", Footprint Url=http://www.yageo.com/exep/pages/download/literatures/PYu-R_Mount_10.pdf, Height=0.55mm, Ipc Land Pattern Name=RESC16080X45, Lead Free=Yes, Manufacturer Part Number=RT0603FRE0752K3L, Mouser Description="Thin Film Resistors - SMD 1/10W 52.3K ohm 1% 50ppm", Octopart=https://octopart.com/rt0603fre0752k3l-yageo-1195990, RoHS=TRUE, Series=RT
R201 R500 R501 R503 R601 R604: library part CMP-03412-005349-1, "RES SMD 10K OHM 1% 1/10W 0603", Manufacturer=Yageo, Package=RT0603, Power Rating=0.1W, Resistance=10KΩ, Temperature="-55°C to +155°C", Temperature Coefficient="50 ppm/°C", Temperature Range High=+155°C, Temperature Range Low=-55°C, Tolerance=0.01, Voltage Rating=75V, Automotive=No, Category=Res, ComponentLink2Description=Datasheet, ComponentLink2URL=http://www.yageo.com/documents/recent/PYu-RT_1-to-0.01_RoHS_L_9.pdf, Composition="Thin Film", Device Class L1="Passive Components", Device Class L2=Resistors, Device Class L3="Chip SMD Resistors", Digikey Description="RES SMD 10K OHM 1% 1/10W 0603", Footprint Url=http://www.yageo.com/exep/pages/download/literatures/PYu-R_Mount_10.pdf, Height=0.55mm, Ipc Land Pattern Name=RESC16080X45, Lead Free=Yes, Manufacturer Part Number=RT0603FRE0710KL, Mouser Description="Thin Film Resistors - SMD 10K ohm 1% 1/10W", Octopart=https://octopart.com/rt0603fre0710kl-yageo-40009243, RoHS=TRUE, Series=RT
R300 R301: library part CMP-03412-022806-1, "RES SMD 100 OHM 1% 1/10W 0603", Manufacturer=Yageo, Package=RT0603, Power Rating=0.1W, Resistance=100Ω, Temperature="-55°C to +155°C", Temperature Coefficient="50 ppm/°C", Temperature Range High=+155°C, Temperature Range Low=-55°C, Tolerance=0.01, Voltage Rating=75V, Automotive=No, Category=Res, ComponentLink2Description=Datasheet, ComponentLink2URL=http://www.yageo.com/documents/recent/PYu-RT_1-to-0.01_RoHS_L_9.pdf, Composition="Thin Film", Device Class L1="Passive Components", Device Class L2=Resistors, Device Class L3="Chip SMD Resistors", Digikey Description="RES SMD 100 OHM 1% 1/10W 0603", Footprint Url=http://www.yageo.com/exep/pages/download/literatures/PYu-R_Mount_10.pdf, Height=0.55mm, Ipc Land Pattern Name=RESC16080X45, Lead Free=Yes, Manufacturer Part Number=RT0603FRE07100RL, Mouser Description="Thin Film Resistors - SMD 1/10W 100 ohm 1% 50ppm", Octopart=https://octopart.com/rt0603fre07100rl-yageo-39792638, RoHS=TRUE, Series=RT
R400_M1 R400_M2: library part CMP-2000-04660-2, "RES SMD 16K OHM 1% 1/10W 0603", Manufacturer=Yageo, Package=RT0603, Power Rating=0.1W, Resistance=16KΩ, Temperature="-55°C to +155°C", Temperature Coefficient="50 ppm/°C", Temperature Range High=+155°C, Temperature Range Low=-55°C, Tolerance=0.01, Voltage Rating=75V, Automotive=No, Category=Res, ComponentLink2Description=Datasheet, ComponentLink2URL=http://www.yageo.com/documents/recent/PYu-RT_1-to-0.01_RoHS_L_9.pdf, Composition="Thin Film", Device Class L1="Passive Components", Device Class L2=Resistors, Device Class L3="Chip SMD Resistors", Digikey Description="RES SMD 16K OHM 1% 1/10W 0603", Footprint Url=http://www.yageo.com/exep/pages/download/literatures/PYu-R_Mount_10.pdf, Height=0.55mm, Ipc Land Pattern Name=RESC16080X45, Lead Free=Yes, Manufacturer Part Number=RT0603FRE0716KL, Mouser Description="Thin Film Resistors - SMD 1/10W 16K ohm 1% 50ppm", Octopart=https://octopart.com/rt0603fre0716kl-yageo-1480398, RoHS=TRUE, Series=RT
R401_M1 R401_M2: library part CMP-2000-04756-2, "RES SMD 49.9K OHM 1% 1/10W 0603", Manufacturer=Yageo, Package=RT0603, Power Rating=0.1W, Resistance=49.9KΩ, Temperature="-55°C to +155°C", Temperature Coefficient="50 ppm/°C", Temperature Range High=+155°C, Temperature Range Low=-55°C, Tolerance=0.01, Voltage Rating=75V, Automotive=No, Category=Res, ComponentLink2Description=Datasheet, ComponentLink2URL=http://www.yageo.com/documents/recent/PYu-RT_1-to-0.01_RoHS_L_9.pdf, Composition="Thin Film", Device Class L1="Passive Components", Device Class L2=Resistors, Device Class L3="Chip SMD Resistors", Digikey Description="RES SMD 49.9K OHM 1% 1/10W 0603", Footprint Url=http://www.yageo.com/exep/pages/download/literatures/PYu-R_Mount_10.pdf, Height=0.55mm, Ipc Land Pattern Name=RESC16080X45, Lead Free=Yes, Manufacturer Part Number=RT0603FRE0749K9L, Mouser Description="Thin Film Resistors - SMD 1/10W 49.9K ohm 1% 50ppm", Octopart=https://octopart.com/rt0603fre0749k9l-yageo-1469374, RoHS=TRUE, Series=RT
R402_M1 R402_M2: library part CMP-2000-04746-1, Manufacturer=Yageo, Parameter 1=3k, Part Number=RT0603FRE073KL
R403_M1 R403_M2: library part CMP-2100-03667-1, "Chip Resistor, 0 Ohm, +/- 5%, 0.1 W, -55 to 155 degC, 0603 (1608 Metric), RoHS, Tape and Reel", Case Code (Imperial)=0603, Case Code (Metric)=1608, Manufacturer=Yageo, Max Operating Temperature=155degC, Min Operating Temperature=-55degC, Package Description="2-Pin Surface Mount Device, Body 1.6 x 0.8 mm", Package Quantity=5000, Power Rating=100mW, Resistance=0mOhm, Temperature Coefficient=200ppm/degreesC, Tolerance=5%, Voltage Rating=50V, Case/Package=0603, Composition=ThickFilm, Contact Plating=Tin, Datasheet URL=http://www.yageo.com/NewPortal/yageodocoutput?fileName=/pdf/R-Chip/PYu-RC_Group_51_RoHS_L_5.pdf, Datasheet Version="Rev. 5, 10/2016", Depth=0.8mm, Height=0.45mm, Lead Free=LeadFree, Length=1.6mm, Manufacturer URL=http://www.yageo.com/, Military Standard=Not, Number of Pins=2, Package Reference=0603, Packaging=TapeandReel, Radiation Hardening=No, REACH SVHC=NoSVHC, RoHSCompliant=true, Termination=SMD/SMT, Voltage Rating (DC)=50V, Width=0.8mm
R502: library part CMP-03412-002652-1, "RES SMD 30.9K OHM 1% 1/10W 0603", Manufacturer=Yageo, Package=RT0603, Power Rating=0.1W, Resistance=30.9KΩ, Temperature="-55°C to +155°C", Temperature Coefficient="50 ppm/°C", Temperature Range High=+155°C, Temperature Range Low=-55°C, Tolerance=0.01, Voltage Rating=75V, Automotive=No, Category=Res, ComponentLink2Description=Datasheet, ComponentLink2URL=http://www.yageo.com/documents/recent/PYu-RT_1-to-0.01_RoHS_L_9.pdf, Composition="Thin Film", Device Class L1="Passive Components", Device Class L2=Resistors, Device Class L3="Chip SMD Resistors", Digikey Description="RES SMD 30.9K OHM 1% 1/10W 0603", Footprint Url=http://www.yageo.com/exep/pages/download/literatures/PYu-R_Mount_10.pdf, Height=0.55mm, Ipc Land Pattern Name=RESC16080X45, Lead Free=Yes, Manufacturer Part Number=RT0603FRE0730K9L, Mouser Description="Thin Film Resistors - SMD 1/10W 30.9K ohm 1% 50ppm", Octopart=https://octopart.com/rt0603fre0730k9l-yageo-1413622, RoHS=TRUE, Series=RT
R600 R602: library part CMP-03412-003342-1, "RES SMD 680 OHM 1% 1/10W 0603", Manufacturer=Yageo, Package=RT0603, Power Rating=0.1W, Resistance=680Ω, Temperature="-55°C to +155°C", Temperature Coefficient="50 ppm/°C", Temperature Range High=+155°C, Temperature Range Low=-55°C, Tolerance=0.01, Voltage Rating=75V, Automotive=No, Category=Res, ComponentLink2Description=Datasheet, ComponentLink2URL=http://www.yageo.com/documents/recent/PYu-RT_1-to-0.01_RoHS_L_9.pdf, Composition="Thin Film", Device Class L1="Passive Components", Device Class L2=Resistors, Device Class L3="Chip SMD Resistors", Digikey Description="RES SMD 680 OHM 1% 1/10W 0603", Footprint Url=http://www.yageo.com/exep/pages/download/literatures/PYu-R_Mount_10.pdf, Height=0.55mm, Ipc Land Pattern Name=RESC16080X45, Lead Free=Yes, Manufacturer Part Number=RT0603FRE07680RL, Mouser Description="Thin Film Resistors - SMD 1/10W 680 ohm 1% 50ppm", Octopart=https://octopart.com/rt0603fre07680rl-yageo-40000084, RoHS=TRUE, Series=RT
R603: library part CMP-2000-04807-2, "RES SMD 91K OHM 1% 1/10W 0603", Manufacturer=Yageo, Package=RT0603, Power Rating=0.1W, Resistance=91KΩ, Temperature="-55°C to +155°C", Temperature Coefficient="50 ppm/°C", Temperature Range High=+155°C, Temperature Range Low=-55°C, Tolerance=0.01, Voltage Rating=75V, Automotive=No, Category=Res, ComponentLink2Description=Datasheet, ComponentLink2URL=http://www.yageo.com/documents/recent/PYu-RT_1-to-0.01_RoHS_L_9.pdf, Composition="Thin Film", Device Class L1="Passive Components", Device Class L2=Resistors, Device Class L3="Chip SMD Resistors", Digikey Description="RES SMD 91K OHM 1% 1/10W 0603", Footprint Url=http://www.yageo.com/exep/pages/download/literatures/PYu-R_Mount_10.pdf, Height=0.55mm, Ipc Land Pattern Name=RESC16080X45, Lead Free=Yes, Manufacturer Part Number=RT0603FRE0791KL, Mouser Description="Thin Film Resistors - SMD 1/10W 91K ohm 1% 50ppm", Octopart=https://octopart.com/rt0603fre0791kl-yageo-1246954, RoHS=TRUE, Series=RT
SW200: "No Description Available", Manufacturer_Name=E-Switch, Supplier Part Number 1=500SSP3S1M6QEA-ND, Copyright="Copyright (C) 2025 Ultra Librarian. All rights reserved.", Manufacturer_Part_Number=500SSP3S1M6QEA, RefDes=RefDes, Supplier 1=DigiKey, Supplier 2=Mouser, Supplier Part Number 2=612-500SSP3S1M6QEA, Type=Type
U200 U500: "3.8-V to 28-V Input, 3-A synchronous buck converter in SOT-583 package 8-SOT-5X3 -40 to 150", Manufacturer_Name="Texas Instruments", Supplier Part Number 1=296-TPS563300DRLRCT-ND, Copyright="Copyright (C) 2025 Ultra Librarian. All rights reserved.", Manufacturer_Part_Number=TPS563300DRLR, RefDes=RefDes, Supplier 1=DigiKey, Supplier 2=DigiKey, Supplier 3=Mouser, Supplier Part Number 2=296-TPS563300DRLRDKR-ND, Supplier Part Number 3=595-TPS563300DRLR, Type=Type
U400_M1 U400_M2: library part CMP-04915-000011-1, "DRV8874 H-BRIDGE MOTOR DRIVER", RoHS Compliant=Yes
U600: library part CMP-12177-000012-1, "CONSUMER MEMS", Manufacturer=STMicroelectronics, Max Supply Voltage=3.6V, Min Supply Voltage=1.62V, Operating Supply Current=0.55mA, Package=LGA-14L-DM00249496, Temperature="-40°C to +85°C", Temperature Range High=+85°C, Temperature Range Low=-40°C, Accel Range=2/4/8/16g, Automotive=No, Category=IC, ComponentLink2Description=Datasheet, ComponentLink2URL=https://www.st.com/resource/en/datasheet/lsm6dso.pdf, Device Class L1=Sensors, Device Class L2="Motion Sensors", Device Class L3="Inertial Measurement Units (IMUs)", Digikey Description="CONSUMER MEMS", Footprint Url=https://www.st.com/content/ccc/resource/technical/document/technical_note/73/17/9c/16/dd/96/4a/01/CD00134799.pdf/files/CD00134799.pdf/jcr:content/translations/en.CD00134799.pdf, Gyro Range=125/250/500/1000/2000°/s, Height=0.86mm, Lead Free=Yes, Manufacturer Part Number=LSM6DSOTR, Mouser Description="iNEMO inertial module: \"always-on\" integrated 3D accelerometer and 3D gyroscope", Octopart=https://octopart.com/lsm6dsotr-stmicroelectronics-81706672, RoHS=TRUE, Sensor Output=I2C,SPI, Sensor Type=Temperature,Accelerometer,Gyroscope
U601: library part CMP-12173-000002-1, "SENSOR MR I2C/SPI 12LGA", Manufacturer=STMicroelectronics, Max Supply Voltage=3.6V, Min Supply Voltage=1.71V, Operating Supply Current=50-200uA, Package=LGA-12-DM00170568, Temperature="-40°C to +85°C", Temperature Range High=+85°C, Temperature Range Low=-40°C, Automotive=No, Category=IC, ComponentLink2Description=Datasheet, ComponentLink2URL=https://www.st.com/resource/en/datasheet/lis2mdl.pdf, Device Class L1=Sensors, Device Class L2="Magnetic Sensors", Device Class L3=unset, Digikey Description="SENSOR MR I2C/SPI 12LGA", Height=0.7mm, Lead Free=Yes, Manufacturer Part Number=LIS2MDLTR, Octopart=https://octopart.com/lis2mdltr-stmicroelectronics-81117311, RoHS=TRUE, Sensing Method=Magnetic, Sensor Output=I2C,SPI

## Free pads (board coordinates)
  round 6 hole 3.2: ""(4,11) ""(4,106) ""(48.5,55) ""(93,11) ""(93,106)

## Via types
v1: diameter 0.46, hole 0.3, L1 Top to L4 Bottom, 220 vias
v2: diameter 0.46, hole 0.3, L1 Top to L4 Bottom, tented both sides, 211 vias

## Nets (pads, with @x,y where several pads share a name; then routed paths per layer and width w, separated by ;. In a path a pad name is that pad's centre, name@x,y a point inside that pad or via, vN(x,y) a via of type N, cw(c..) or ccw(c..) an arc to the next point about the centre after c; other vN are vias at no path point)
3.3V: C600.1 C601.1 C602.1 C603.1 C604.1 J400_M1.2 J400_M2.2 J600.3 P301.4 P400_M1.3 P400_M2.3 R400_M1.2 R400_M2.2 R600.2 U600.5 U600.8 U600.12 U601.3 U601.9 U601.10 | length 23.2
  L1 Top w0.15: v2(27.8,4.8) 27.825,4.775 29.212,4.775 U601.3@29.238,4.75 ; U600.12@39.5,5.913 v2(39.5,7.4) ; v2(46.3,25.2) R400_M2.2@47.25,25.2 ; v2(69.3,25.2) R400_M1.2@70.25,25.2
  L1 Top w0.3: R600.2@14,36.65 v2(14,37.5) ; U601.9@30.763,5.25 30.788,5.225 32.575,5.225 32.875,5.525 C603.1@32.9,5.5 ; U601.10@30.763,5.75 30.763,7.588 31.1,7.925 C604.1@31.1,8 ; C600.1@37.5,2.5 37.5,2.575 37.725,2.8 37.8,2.8 38.5,3.5 U600.5@38.5,4.088 ; U600.8@40.163,4.25 40.163,3.637 41,2.8 41.075,2.8 41.3,2.575 C601.1@41.3,2.5
  L1 Top w0.5: C604.1@31.1,8 v2(31.1,8.8) ; C603.1@32.9,5.5 32.975,5.5 33.368,5.893 34.317,5.893 C602.1@34.6,6.176 v2(34.6,5.376) ; v2(37.5,1.7) C600.1@37.5,2.5 ; v2(41.3,1.7) C601.1@41.3,2.5
  L1 Top w1: v2(47.2,97) J600.3@47.2,100.3
  other v2: 47.2,97.8